# Altium PCB rev5.PcbDoc (part 2 of 3) (continued)
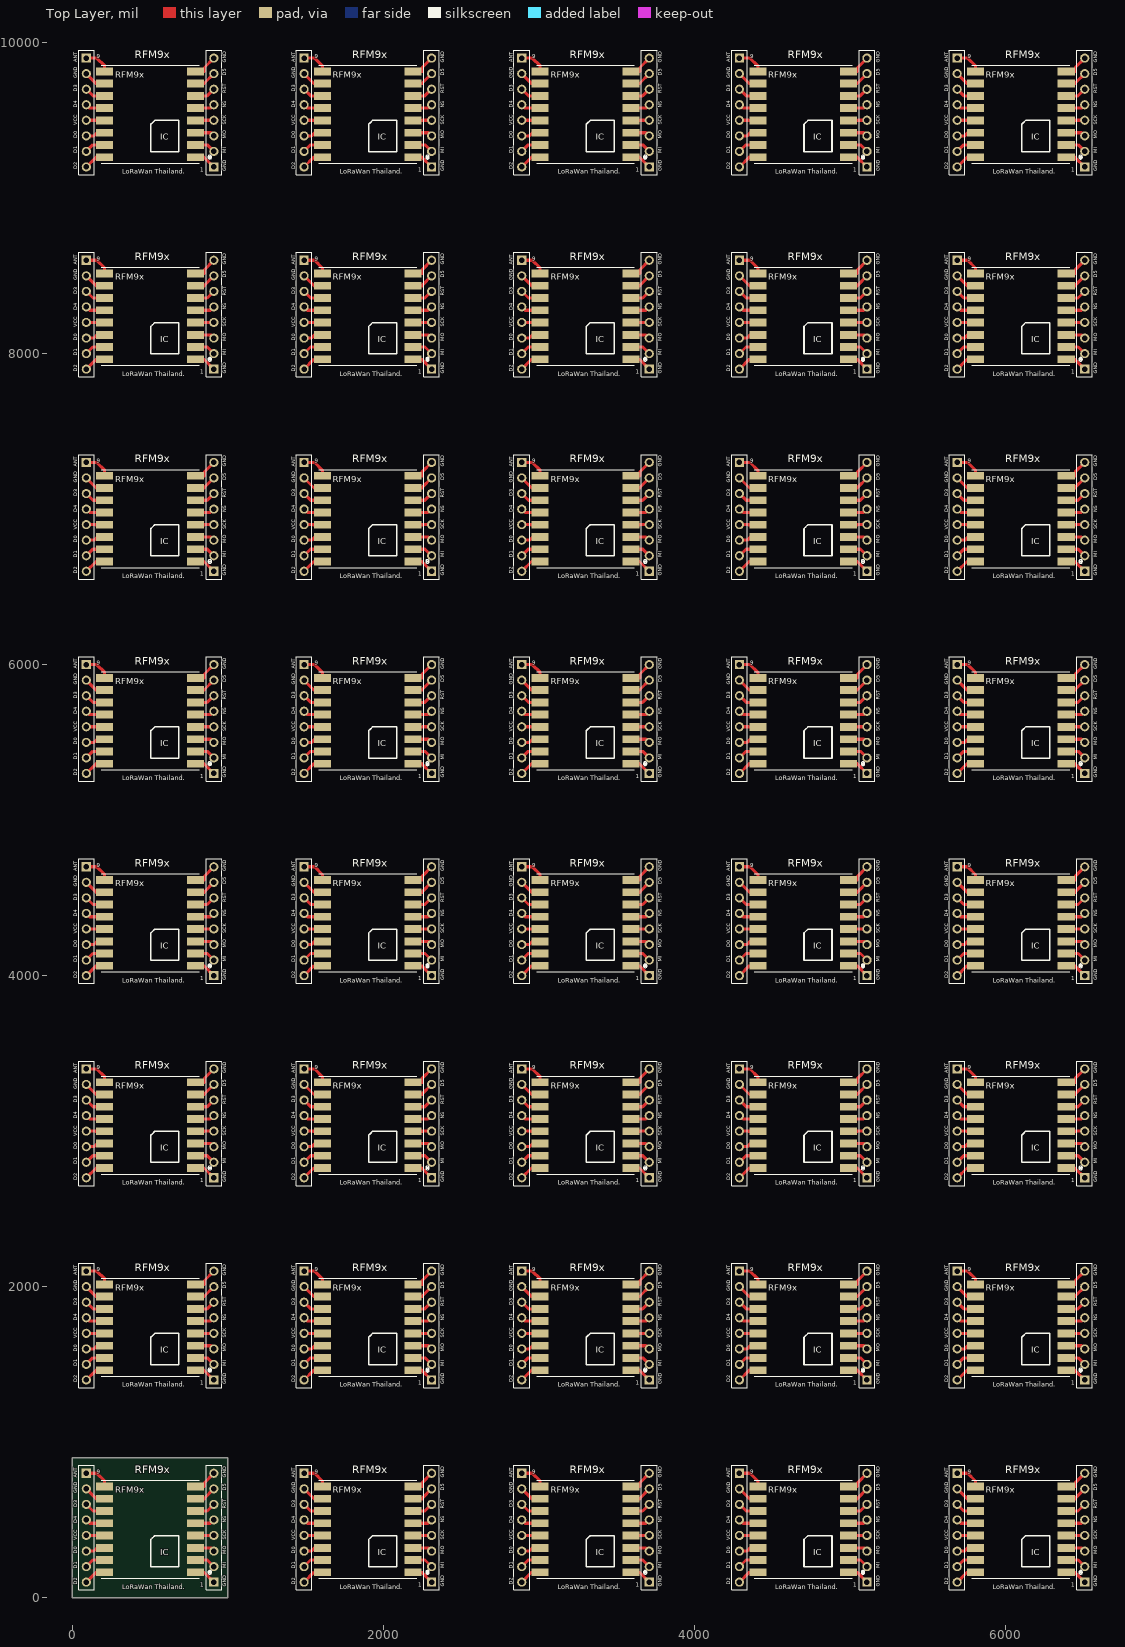
[diagram p0: Top Layer view]
## Nets (pads, with @x,y where several pads share a name; then routed paths per layer and width w, separated by ;. In a path a pad name is that pad's centre, name@x,y a point inside that pad or via, vN(x,y) a via of type N, cw(c..) or ccw(c..) an arc to the next point about the centre after c; other vN are vias at no path point) (continued)

## Silkscreen, mask and mechanical layers (free items; w line width, h text height)
Top Overlay:
  text "ANT" at 32,9872 h23 r90
  text "ANT" at 1432,9872 h23 r90
  text "ANT" at 2832,9872 h23 r90
  text "ANT" at 4232,9872 h23 r90
  text "ANT" at 5632,9872 h23 r90
  text "GND" at 991,9871 h23 r90
  text "GND" at 2391,9871 h23 r90
  text "GND" at 3791,9871 h23 r90
  text "GND" at 5191,9871 h23 r90
  text "GND" at 6591,9871 h23 r90
  text "D5" at 991,9787 h23 r90
  text "D5" at 2391,9787 h23 r90
  text "D5" at 3791,9787 h23 r90
  text "D5" at 5191,9787 h23 r90
  text "D5" at 6591,9787 h23 r90
  text "GND" at 32,9770 h23 r90
  text "GND" at 1432,9770 h23 r90
  text "GND" at 2832,9770 h23 r90
  text "GND" at 4232,9770 h23 r90
  text "GND" at 5632,9770 h23 r90
  text "D3" at 32,9682 h23 r90
  text "D3" at 1432,9682 h23 r90
  text "D3" at 2832,9682 h23 r90
  text "D3" at 4232,9682 h23 r90
  text "D3" at 5632,9682 h23 r90
  text "RST" at 991,9673 h23 r90
  text "RST" at 2391,9673 h23 r90
  text "RST" at 3791,9673 h23 r90
  text "RST" at 5191,9673 h23 r90
  text "RST" at 6591,9673 h23 r90
  text "NS" at 991,9581 h23 r90
  text "NS" at 2391,9581 h23 r90
  text "NS" at 3791,9581 h23 r90
  text "NS" at 5191,9581 h23 r90
  text "NS" at 6591,9581 h23 r90
  text "D4" at 32,9580 h23 r90
  text "D4" at 1432,9580 h23 r90
  text "D4" at 2832,9580 h23 r90
  text "D4" at 4232,9580 h23 r90
  text "D4" at 5632,9580 h23 r90
  text "SCK" at 991,9471 h23 r90
  text "SCK" at 2391,9471 h23 r90
  text "SCK" at 3791,9471 h23 r90
  text "SCK" at 5191,9471 h23 r90
  text "SCK" at 6591,9471 h23 r90
  text "VCC" at 32,9468 h23 r90
  text "VCC" at 1432,9468 h23 r90
  text "VCC" at 2832,9468 h23 r90
  text "VCC" at 4232,9468 h23 r90
  text "VCC" at 5632,9468 h23 r90
  text "D0" at 32,9383 h23 r90
  text "D0" at 1432,9383 h23 r90
  text "D0" at 2832,9383 h23 r90
  text "D0" at 4232,9383 h23 r90
  text "D0" at 5632,9383 h23 r90
  text "MO" at 991,9380 h23 r90
  text "MO" at 2391,9380 h23 r90
  text "MO" at 3791,9380 h23 r90
  text "MO" at 5191,9380 h23 r90
  text "MO" at 6591,9380 h23 r90
  text "MI" at 991,9289 h23 r90
  text "MI" at 2391,9289 h23 r90
  text "MI" at 3791,9289 h23 r90
  text "MI" at 5191,9289 h23 r90
  text "MI" at 6591,9289 h23 r90
  text "D1" at 32,9287 h23 r90
  text "D1" at 1432,9287 h23 r90
  text "D1" at 2832,9287 h23 r90
  text "D1" at 4232,9287 h23 r90
  text "D1" at 5632,9287 h23 r90
  text "D2" at 32,9184 h23 r90
  text "D2" at 1432,9184 h23 r90
  text "D2" at 2832,9184 h23 r90
  text "D2" at 4232,9184 h23 r90
  text "D2" at 5632,9184 h23 r90
  text "GND" at 991,9171 h23 r90
  text "GND" at 2391,9171 h23 r90
  text "GND" at 3791,9171 h23 r90
  text "GND" at 5191,9171 h23 r90
  text "GND" at 6591,9171 h23 r90
  text "LoRaWan Thailand." at 320,9155 h30
  text "LoRaWan Thailand." at 1720,9155 h30
  text "LoRaWan Thailand." at 3120,9155 h30
  text "LoRaWan Thailand." at 4520,9155 h30
  text "LoRaWan Thailand." at 5920,9155 h30
  text "ANT" at 32,8572 h23 r90
  text "ANT" at 1432,8572 h23 r90
  text "ANT" at 2832,8572 h23 r90
  text "ANT" at 4232,8572 h23 r90
  text "ANT" at 5632,8572 h23 r90
  text "GND" at 991,8571 h23 r90
  text "GND" at 2391,8571 h23 r90
  text "GND" at 3791,8571 h23 r90
  text "GND" at 5191,8571 h23 r90
  text "GND" at 6591,8571 h23 r90
  text "D5" at 991,8487 h23 r90
  text "D5" at 2391,8487 h23 r90
  text "D5" at 3791,8487 h23 r90
  text "D5" at 5191,8487 h23 r90
  text "D5" at 6591,8487 h23 r90
  text "GND" at 32,8470 h23 r90
  text "GND" at 1432,8470 h23 r90
  text "GND" at 2832,8470 h23 r90
  text "GND" at 4232,8470 h23 r90
  text "GND" at 5632,8470 h23 r90
  text "D3" at 32,8382 h23 r90
  text "D3" at 1432,8382 h23 r90
  text "D3" at 2832,8382 h23 r90
  text "D3" at 4232,8382 h23 r90
  text "D3" at 5632,8382 h23 r90
  text "RST" at 991,8373 h23 r90
  text "RST" at 2391,8373 h23 r90
  text "RST" at 3791,8373 h23 r90
  text "RST" at 5191,8373 h23 r90
  text "RST" at 6591,8373 h23 r90
  text "NS" at 991,8281 h23 r90
  text "NS" at 2391,8281 h23 r90
  text "NS" at 3791,8281 h23 r90
  text "NS" at 5191,8281 h23 r90
  text "NS" at 6591,8281 h23 r90
  text "D4" at 32,8280 h23 r90
  text "D4" at 1432,8280 h23 r90
  text "D4" at 2832,8280 h23 r90
  text "D4" at 4232,8280 h23 r90
  text "D4" at 5632,8280 h23 r90
  text "SCK" at 991,8171 h23 r90
  text "SCK" at 2391,8171 h23 r90
  text "SCK" at 3791,8171 h23 r90
  text "SCK" at 5191,8171 h23 r90
  text "SCK" at 6591,8171 h23 r90
  text "VCC" at 32,8168 h23 r90
  text "VCC" at 1432,8168 h23 r90
  text "VCC" at 2832,8168 h23 r90
  text "VCC" at 4232,8168 h23 r90
  text "VCC" at 5632,8168 h23 r90
  text "D0" at 32,8083 h23 r90
  text "D0" at 1432,8083 h23 r90
  text "D0" at 2832,8083 h23 r90
  text "D0" at 4232,8083 h23 r90
  text "D0" at 5632,8083 h23 r90
  text "MO" at 991,8080 h23 r90
  text "MO" at 2391,8080 h23 r90
  text "MO" at 3791,8080 h23 r90
  text "MO" at 5191,8080 h23 r90
  text "MO" at 6591,8080 h23 r90
  text "MI" at 991,7989 h23 r90
  text "MI" at 2391,7989 h23 r90
  text "MI" at 3791,7989 h23 r90
  text "MI" at 5191,7989 h23 r90
  text "MI" at 6591,7989 h23 r90
  text "D1" at 32,7987 h23 r90
  text "D1" at 1432,7987 h23 r90
  text "D1" at 2832,7987 h23 r90
  text "D1" at 4232,7987 h23 r90
  text "D1" at 5632,7987 h23 r90
  text "D2" at 32,7884 h23 r90
  text "D2" at 1432,7884 h23 r90
  text "D2" at 2832,7884 h23 r90
  text "D2" at 4232,7884 h23 r90
  text "D2" at 5632,7884 h23 r90
  text "GND" at 991,7871 h23 r90
  text "GND" at 2391,7871 h23 r90
  text "GND" at 3791,7871 h23 r90
  text "GND" at 5191,7871 h23 r90
  text "GND" at 6591,7871 h23 r90
  text "LoRaWan Thailand." at 320,7855 h30
  text "LoRaWan Thailand." at 1720,7855 h30
  text "LoRaWan Thailand." at 3120,7855 h30
  text "LoRaWan Thailand." at 4520,7855 h30
  text "LoRaWan Thailand." at 5920,7855 h30
  text "ANT" at 32,7272 h23 r90
  text "ANT" at 1432,7272 h23 r90
  text "ANT" at 2832,7272 h23 r90
  text "ANT" at 4232,7272 h23 r90
  text "ANT" at 5632,7272 h23 r90
  text "GND" at 991,7271 h23 r90
  text "GND" at 2391,7271 h23 r90
  text "GND" at 3791,7271 h23 r90
  text "GND" at 5191,7271 h23 r90
  text "GND" at 6591,7271 h23 r90
  text "D5" at 991,7187 h23 r90
  text "D5" at 2391,7187 h23 r90
  text "D5" at 3791,7187 h23 r90
  text "D5" at 5191,7187 h23 r90
  text "D5" at 6591,7187 h23 r90
  text "GND" at 32,7170 h23 r90
  text "GND" at 1432,7170 h23 r90
  text "GND" at 2832,7170 h23 r90
  text "GND" at 4232,7170 h23 r90
  text "GND" at 5632,7170 h23 r90
  text "D3" at 32,7082 h23 r90
  text "D3" at 1432,7082 h23 r90
  text "D3" at 2832,7082 h23 r90
  text "D3" at 4232,7082 h23 r90
  text "D3" at 5632,7082 h23 r90
  text "RST" at 991,7073 h23 r90
  text "RST" at 2391,7073 h23 r90
  text "RST" at 3791,7073 h23 r90
  text "RST" at 5191,7073 h23 r90
  text "RST" at 6591,7073 h23 r90
  text "NS" at 991,6981 h23 r90
  text "NS" at 2391,6981 h23 r90
  text "NS" at 3791,6981 h23 r90
  text "NS" at 5191,6981 h23 r90
  text "NS" at 6591,6981 h23 r90
  text "D4" at 32,6980 h23 r90
  text "D4" at 1432,6980 h23 r90
  text "D4" at 2832,6980 h23 r90
  text "D4" at 4232,6980 h23 r90
  text "D4" at 5632,6980 h23 r90
  text "SCK" at 991,6871 h23 r90
  text "SCK" at 2391,6871 h23 r90
  text "SCK" at 3791,6871 h23 r90
  text "SCK" at 5191,6871 h23 r90
  text "SCK" at 6591,6871 h23 r90
  text "VCC" at 32,6868 h23 r90
  text "VCC" at 1432,6868 h23 r90
  text "VCC" at 2832,6868 h23 r90
  text "VCC" at 4232,6868 h23 r90
  text "VCC" at 5632,6868 h23 r90
  text "D0" at 32,6783 h23 r90
  text "D0" at 1432,6783 h23 r90
  text "D0" at 2832,6783 h23 r90
  text "D0" at 4232,6783 h23 r90
  text "D0" at 5632,6783 h23 r90
  text "MO" at 991,6780 h23 r90
  text "MO" at 2391,6780 h23 r90
  text "MO" at 3791,6780 h23 r90
  text "MO" at 5191,6780 h23 r90
  text "MO" at 6591,6780 h23 r90
  text "MI" at 991,6689 h23 r90
  text "MI" at 2391,6689 h23 r90
  text "MI" at 3791,6689 h23 r90
  text "MI" at 5191,6689 h23 r90
  text "MI" at 6591,6689 h23 r90
  text "D1" at 32,6687 h23 r90
  text "D1" at 1432,6687 h23 r90
  text "D1" at 2832,6687 h23 r90
  text "D1" at 4232,6687 h23 r90
  text "D1" at 5632,6687 h23 r90
  text "D2" at 32,6584 h23 r90
  text "D2" at 1432,6584 h23 r90
  text "D2" at 2832,6584 h23 r90
  text "D2" at 4232,6584 h23 r90
  text "D2" at 5632,6584 h23 r90
  text "GND" at 991,6571 h23 r90
  text "GND" at 2391,6571 h23 r90
  text "GND" at 3791,6571 h23 r90
  text "GND" at 5191,6571 h23 r90
  text "GND" at 6591,6571 h23 r90
  text "LoRaWan Thailand." at 320,6555 h30
  text "LoRaWan Thailand." at 1720,6555 h30
  text "LoRaWan Thailand." at 3120,6555 h30
  text "LoRaWan Thailand." at 4520,6555 h30
  text "LoRaWan Thailand." at 5920,6555 h30
  text "ANT" at 32,5972 h23 r90
  text "ANT" at 1432,5972 h23 r90
  text "ANT" at 2832,5972 h23 r90
  text "ANT" at 4232,5972 h23 r90
  text "ANT" at 5632,5972 h23 r90
  text "GND" at 991,5971 h23 r90
  text "GND" at 2391,5971 h23 r90
  text "GND" at 3791,5971 h23 r90
  text "GND" at 5191,5971 h23 r90
  text "GND" at 6591,5971 h23 r90
  text "D5" at 991,5887 h23 r90
  text "D5" at 2391,5887 h23 r90
  text "D5" at 3791,5887 h23 r90
  text "D5" at 5191,5887 h23 r90
  text "D5" at 6591,5887 h23 r90
  text "GND" at 32,5870 h23 r90
  text "GND" at 1432,5870 h23 r90
  text "GND" at 2832,5870 h23 r90
  text "GND" at 4232,5870 h23 r90
  text "GND" at 5632,5870 h23 r90
  text "D3" at 32,5782 h23 r90
  text "D3" at 1432,5782 h23 r90
  text "D3" at 2832,5782 h23 r90
  text "D3" at 4232,5782 h23 r90
  text "D3" at 5632,5782 h23 r90
  text "RST" at 991,5773 h23 r90
  text "RST" at 2391,5773 h23 r90
  text "RST" at 3791,5773 h23 r90
  text "RST" at 5191,5773 h23 r90
  text "RST" at 6591,5773 h23 r90
  text "NS" at 991,5681 h23 r90
  text "NS" at 2391,5681 h23 r90
  text "NS" at 3791,5681 h23 r90
  text "NS" at 5191,5681 h23 r90
  text "NS" at 6591,5681 h23 r90
  text "D4" at 32,5680 h23 r90
  text "D4" at 1432,5680 h23 r90
  text "D4" at 2832,5680 h23 r90
  text "D4" at 4232,5680 h23 r90
  text "D4" at 5632,5680 h23 r90
  text "SCK" at 991,5571 h23 r90
  text "SCK" at 2391,5571 h23 r90
  text "SCK" at 3791,5571 h23 r90
  text "SCK" at 5191,5571 h23 r90
  text "SCK" at 6591,5571 h23 r90
  text "VCC" at 32,5568 h23 r90
  text "VCC" at 1432,5568 h23 r90
  text "VCC" at 2832,5568 h23 r90
  text "VCC" at 4232,5568 h23 r90
  text "VCC" at 5632,5568 h23 r90
  text "D0" at 32,5483 h23 r90
  text "D0" at 1432,5483 h23 r90
  text "D0" at 2832,5483 h23 r90
  text "D0" at 4232,5483 h23 r90
  text "D0" at 5632,5483 h23 r90
  text "MO" at 991,5480 h23 r90
  text "MO" at 2391,5480 h23 r90
  text "MO" at 3791,5480 h23 r90
  text "MO" at 5191,5480 h23 r90
  text "MO" at 6591,5480 h23 r90
  text "MI" at 991,5389 h23 r90
  text "MI" at 2391,5389 h23 r90
  text "MI" at 3791,5389 h23 r90
  text "MI" at 5191,5389 h23 r90
  text "MI" at 6591,5389 h23 r90
  text "D1" at 32,5387 h23 r90
  text "D1" at 1432,5387 h23 r90
  text "D1" at 2832,5387 h23 r90
  text "D1" at 4232,5387 h23 r90
  text "D1" at 5632,5387 h23 r90
  text "D2" at 32,5284 h23 r90
  text "D2" at 1432,5284 h23 r90
  text "D2" at 2832,5284 h23 r90
  text "D2" at 4232,5284 h23 r90
  text "D2" at 5632,5284 h23 r90
  text "GND" at 991,5271 h23 r90
  text "GND" at 2391,5271 h23 r90
  text "GND" at 3791,5271 h23 r90
  text "GND" at 5191,5271 h23 r90
  text "GND" at 6591,5271 h23 r90
  text "LoRaWan Thailand." at 320,5255 h30
  text "LoRaWan Thailand." at 1720,5255 h30
  text "LoRaWan Thailand." at 3120,5255 h30
  text "LoRaWan Thailand." at 4520,5255 h30
  text "LoRaWan Thailand." at 5920,5255 h30
  text "ANT" at 32,4672 h23 r90
  text "ANT" at 1432,4672 h23 r90
  text "ANT" at 2832,4672 h23 r90
  text "ANT" at 4232,4672 h23 r90
  text "ANT" at 5632,4672 h23 r90
  text "GND" at 991,4671 h23 r90
  text "GND" at 2391,4671 h23 r90
  text "GND" at 3791,4671 h23 r90
  text "GND" at 5191,4671 h23 r90
  text "GND" at 6591,4671 h23 r90
  text "D5" at 991,4587 h23 r90
  text "D5" at 2391,4587 h23 r90
  text "D5" at 3791,4587 h23 r90
  text "D5" at 5191,4587 h23 r90
  text "D5" at 6591,4587 h23 r90
  text "GND" at 32,4570 h23 r90
  text "GND" at 1432,4570 h23 r90
  text "GND" at 2832,4570 h23 r90
  text "GND" at 4232,4570 h23 r90
  text "GND" at 5632,4570 h23 r90
  text "D3" at 32,4482 h23 r90
  text "D3" at 1432,4482 h23 r90
  text "D3" at 2832,4482 h23 r90
  text "D3" at 4232,4482 h23 r90
  text "D3" at 5632,4482 h23 r90
  text "RST" at 991,4473 h23 r90
  text "RST" at 2391,4473 h23 r90
  text "RST" at 3791,4473 h23 r90
  text "RST" at 5191,4473 h23 r90
  text "RST" at 6591,4473 h23 r90
  text "NS" at 991,4381 h23 r90
  text "NS" at 2391,4381 h23 r90
  text "NS" at 3791,4381 h23 r90
  text "NS" at 5191,4381 h23 r90
  text "NS" at 6591,4381 h23 r90
  text "D4" at 32,4380 h23 r90
  text "D4" at 1432,4380 h23 r90
  text "D4" at 2832,4380 h23 r90
  text "D4" at 4232,4380 h23 r90
  text "D4" at 5632,4380 h23 r90
  text "SCK" at 991,4271 h23 r90
  text "SCK" at 2391,4271 h23 r90
  text "SCK" at 3791,4271 h23 r90
  text "SCK" at 5191,4271 h23 r90
  text "SCK" at 6591,4271 h23 r90
  text "VCC" at 32,4268 h23 r90
  text "VCC" at 1432,4268 h23 r90
  text "VCC" at 2832,4268 h23 r90
  text "VCC" at 4232,4268 h23 r90
  text "VCC" at 5632,4268 h23 r90
  text "D0" at 32,4183 h23 r90
  text "D0" at 1432,4183 h23 r90
  text "D0" at 2832,4183 h23 r90
  text "D0" at 4232,4183 h23 r90
  text "D0" at 5632,4183 h23 r90
  text "MO" at 991,4180 h23 r90
  text "MO" at 2391,4180 h23 r90
  text "MO" at 3791,4180 h23 r90
  text "MO" at 5191,4180 h23 r90
  text "MO" at 6591,4180 h23 r90
  text "MI" at 991,4089 h23 r90
  text "MI" at 2391,4089 h23 r90
  text "MI" at 3791,4089 h23 r90
  text "MI" at 5191,4089 h23 r90
  text "MI" at 6591,4089 h23 r90
  text "D1" at 32,4087 h23 r90
  text "D1" at 1432,4087 h23 r90
  text "D1" at 2832,4087 h23 r90
  text "D1" at 4232,4087 h23 r90
  text "D1" at 5632,4087 h23 r90
  text "D2" at 32,3984 h23 r90
  text "D2" at 1432,3984 h23 r90
  text "D2" at 2832,3984 h23 r90
  text "D2" at 4232,3984 h23 r90
  text "D2" at 5632,3984 h23 r90
  text "GND" at 991,3971 h23 r90
  text "GND" at 2391,3971 h23 r90
  text "GND" at 3791,3971 h23 r90
  text "GND" at 5191,3971 h23 r90
  text "GND" at 6591,3971 h23 r90
  text "LoRaWan Thailand." at 320,3955 h30
  text "LoRaWan Thailand." at 1720,3955 h30
  text "LoRaWan Thailand." at 3120,3955 h30
  text "LoRaWan Thailand." at 4520,3955 h30
  text "LoRaWan Thailand." at 5920,3955 h30
  text "ANT" at 32,3372 h23 r90
  text "ANT" at 1432,3372 h23 r90
  text "ANT" at 2832,3372 h23 r90
  text "ANT" at 4232,3372 h23 r90
  text "ANT" at 5632,3372 h23 r90
  text "GND" at 991,3371 h23 r90
  text "GND" at 2391,3371 h23 r90
  text "GND" at 3791,3371 h23 r90
  text "GND" at 5191,3371 h23 r90
  text "GND" at 6591,3371 h23 r90
  text "D5" at 991,3287 h23 r90
  text "D5" at 2391,3287 h23 r90
  text "D5" at 3791,3287 h23 r90
  text "D5" at 5191,3287 h23 r90
  text "D5" at 6591,3287 h23 r90
  text "GND" at 32,3270 h23 r90
  text "GND" at 1432,3270 h23 r90
  text "GND" at 2832,3270 h23 r90
  text "GND" at 4232,3270 h23 r90
  text "GND" at 5632,3270 h23 r90
  text "D3" at 32,3182 h23 r90
  text "D3" at 1432,3182 h23 r90
  text "D3" at 2832,3182 h23 r90
  text "D3" at 4232,3182 h23 r90
  text "D3" at 5632,3182 h23 r90
  text "RST" at 991,3173 h23 r90
  text "RST" at 2391,3173 h23 r90
  text "RST" at 3791,3173 h23 r90
  text "RST" at 5191,3173 h23 r90
  text "RST" at 6591,3173 h23 r90
  text "NS" at 991,3081 h23 r90
  text "NS" at 2391,3081 h23 r90
  text "NS" at 3791,3081 h23 r90
  text "NS" at 5191,3081 h23 r90
  text "NS" at 6591,3081 h23 r90
  text "D4" at 32,3080 h23 r90
  text "D4" at 1432,3080 h23 r90
  text "D4" at 2832,3080 h23 r90
  text "D4" at 4232,3080 h23 r90
  text "D4" at 5632,3080 h23 r90
  text "SCK" at 991,2971 h23 r90
  text "SCK" at 2391,2971 h23 r90
  text "SCK" at 3791,2971 h23 r90
  text "SCK" at 5191,2971 h23 r90
  text "SCK" at 6591,2971 h23 r90
  text "VCC" at 32,2968 h23 r90
  text "VCC" at 1432,2968 h23 r90
  text "VCC" at 2832,2968 h23 r90
  text "VCC" at 4232,2968 h23 r90
  text "VCC" at 5632,2968 h23 r90
  text "D0" at 32,2883 h23 r90
  text "D0" at 1432,2883 h23 r90
  text "D0" at 2832,2883 h23 r90
  text "D0" at 4232,2883 h23 r90
  text "D0" at 5632,2883 h23 r90
  text "MO" at 991,2880 h23 r90
  text "MO" at 2391,2880 h23 r90
  text "MO" at 3791,2880 h23 r90
  text "MO" at 5191,2880 h23 r90
  text "MO" at 6591,2880 h23 r90
  text "MI" at 991,2789 h23 r90
  text "MI" at 2391,2789 h23 r90
  text "MI" at 3791,2789 h23 r90
  text "MI" at 5191,2789 h23 r90
  text "MI" at 6591,2789 h23 r90
  text "D1" at 32,2787 h23 r90
  text "D1" at 1432,2787 h23 r90
  text "D1" at 2832,2787 h23 r90
  text "D1" at 4232,2787 h23 r90
  text "D1" at 5632,2787 h23 r90
  text "D2" at 32,2684 h23 r90
  text "D2" at 1432,2684 h23 r90
  text "D2" at 2832,2684 h23 r90
  text "D2" at 4232,2684 h23 r90
  text "D2" at 5632,2684 h23 r90
  text "GND" at 991,2671 h23 r90
  text "GND" at 2391,2671 h23 r90
  text "GND" at 3791,2671 h23 r90
  text "GND" at 5191,2671 h23 r90
  text "GND" at 6591,2671 h23 r90
  text "LoRaWan Thailand." at 320,2655 h30
  text "LoRaWan Thailand." at 1720,2655 h30
  text "LoRaWan Thailand." at 3120,2655 h30
  text "LoRaWan Thailand." at 4520,2655 h30
  text "LoRaWan Thailand." at 5920,2655 h30
  text "ANT" at 32,2072 h23 r90
  text "ANT" at 1432,2072 h23 r90
  text "ANT" at 2832,2072 h23 r90
  text "ANT" at 4232,2072 h23 r90
  text "ANT" at 5632,2072 h23 r90
  text "GND" at 991,2071 h23 r90
  text "GND" at 2391,2071 h23 r90
  text "GND" at 3791,2071 h23 r90
  text "GND" at 5191,2071 h23 r90
  text "GND" at 6591,2071 h23 r90
  text "D5" at 991,1987 h23 r90
  text "D5" at 2391,1987 h23 r90
  text "D5" at 3791,1987 h23 r90
  text "D5" at 5191,1987 h23 r90
  text "D5" at 6591,1987 h23 r90
  text "GND" at 32,1970 h23 r90
  text "GND" at 1432,1970 h23 r90
  text "GND" at 2832,1970 h23 r90
  text "GND" at 4232,1970 h23 r90
  text "GND" at 5632,1970 h23 r90
  text "D3" at 32,1882 h23 r90
  text "D3" at 1432,1882 h23 r90
  text "D3" at 2832,1882 h23 r90
  text "D3" at 4232,1882 h23 r90
  text "D3" at 5632,1882 h23 r90
  text "RST" at 991,1873 h23 r90
  text "RST" at 2391,1873 h23 r90
  text "RST" at 3791,1873 h23 r90
  text "RST" at 5191,1873 h23 r90
  text "RST" at 6591,1873 h23 r90
  text "NS" at 991,1781 h23 r90
  text "NS" at 2391,1781 h23 r90
  text "NS" at 3791,1781 h23 r90
  text "NS" at 5191,1781 h23 r90
  text "NS" at 6591,1781 h23 r90
  text "D4" at 32,1780 h23 r90
  text "D4" at 1432,1780 h23 r90
  text "D4" at 2832,1780 h23 r90
  text "D4" at 4232,1780 h23 r90
  text "D4" at 5632,1780 h23 r90
  text "SCK" at 991,1671 h23 r90
  text "SCK" at 2391,1671 h23 r90
  text "SCK" at 3791,1671 h23 r90
  text "SCK" at 5191,1671 h23 r90
  text "SCK" at 6591,1671 h23 r90
  text "VCC" at 32,1668 h23 r90
  text "VCC" at 1432,1668 h23 r90
  text "VCC" at 2832,1668 h23 r90
  text "VCC" at 4232,1668 h23 r90
  text "VCC" at 5632,1668 h23 r90
  text "D0" at 32,1583 h23 r90
  text "D0" at 1432,1583 h23 r90
  text "D0" at 2832,1583 h23 r90
  text "D0" at 4232,1583 h23 r90
  text "D0" at 5632,1583 h23 r90
  text "MO" at 991,1580 h23 r90
  text "MO" at 2391,1580 h23 r90
  text "MO" at 3791,1580 h23 r90
  text "MO" at 5191,1580 h23 r90
  text "MO" at 6591,1580 h23 r90
  text "MI" at 991,1489 h23 r90
  text "MI" at 2391,1489 h23 r90
  text "MI" at 3791,1489 h23 r90
  text "MI" at 5191,1489 h23 r90
  text "MI" at 6591,1489 h23 r90
  text "D1" at 32,1487 h23 r90
  text "D1" at 1432,1487 h23 r90
  text "D1" at 2832,1487 h23 r90
  text "D1" at 4232,1487 h23 r90
  text "D1" at 5632,1487 h23 r90
  text "D2" at 32,1384 h23 r90
  text "D2" at 1432,1384 h23 r90
  text "D2" at 2832,1384 h23 r90
  text "D2" at 4232,1384 h23 r90
  text "D2" at 5632,1384 h23 r90
  text "GND" at 991,1371 h23 r90
  text "GND" at 2391,1371 h23 r90
  text "GND" at 3791,1371 h23 r90
  text "GND" at 5191,1371 h23 r90
  text "GND" at 6591,1371 h23 r90
  text "LoRaWan Thailand." at 320,1355 h30
  text "LoRaWan Thailand." at 1720,1355 h30
  text "LoRaWan Thailand." at 3120,1355 h30
  text "LoRaWan Thailand." at 4520,1355 h30
  text "LoRaWan Thailand." at 5920,1355 h30
  text "ANT" at 32,772 h23 r90
  text "ANT" at 1432,772 h23 r90
  text "ANT" at 2832,772 h23 r90
  text "ANT" at 4232,772 h23 r90
  text "ANT" at 5632,772 h23 r90
  text "GND" at 991,771 h23 r90
  text "GND" at 2391,771 h23 r90
  text "GND" at 3791,771 h23 r90
  text "GND" at 5191,771 h23 r90
  text "GND" at 6591,771 h23 r90
  text "D5" at 991,687 h23 r90
  text "D5" at 2391,687 h23 r90
  text "D5" at 3791,687 h23 r90
  text "D5" at 5191,687 h23 r90
  text "D5" at 6591,687 h23 r90
  text "GND" at 32,670 h23 r90
  text "GND" at 1432,670 h23 r90
  text "GND" at 2832,670 h23 r90
  text "GND" at 4232,670 h23 r90
  text "GND" at 5632,670 h23 r90
  text "D3" at 32,582 h23 r90
  text "D3" at 1432,582 h23 r90
  text "D3" at 2832,582 h23 r90
  text "D3" at 4232,582 h23 r90
  text "D3" at 5632,582 h23 r90
  text "RST" at 991,573 h23 r90
  text "RST" at 2391,573 h23 r90
  text "RST" at 3791,573 h23 r90
  text "RST" at 5191,573 h23 r90
  text "RST" at 6591,573 h23 r90
  text "NS" at 991,481 h23 r90
  text "NS" at 2391,481 h23 r90
  text "NS" at 3791,481 h23 r90
  text "NS" at 5191,481 h23 r90
  text "NS" at 6591,481 h23 r90
  text "D4" at 32,480 h23 r90
  text "D4" at 1432,480 h23 r90
  text "D4" at 2832,480 h23 r90
  text "D4" at 4232,480 h23 r90
  text "D4" at 5632,480 h23 r90
  text "SCK" at 991,371 h23 r90
  text "SCK" at 2391,371 h23 r90
  text "SCK" at 3791,371 h23 r90
  text "SCK" at 5191,371 h23 r90
  text "SCK" at 6591,371 h23 r90
  text "VCC" at 32,368 h23 r90
  text "VCC" at 1432,368 h23 r90
  text "VCC" at 2832,368 h23 r90
  text "VCC" at 4232,368 h23 r90
  text "VCC" at 5632,368 h23 r90
  text "D0" at 32,283 h23 r90
  text "D0" at 1432,283 h23 r90
  text "D0" at 2832,283 h23 r90
  text "D0" at 4232,283 h23 r90
  text "D0" at 5632,283 h23 r90
  text "MO" at 991,280 h23 r90
  text "MO" at 2391,280 h23 r90
  text "MO" at 3791,280 h23 r90
  text "MO" at 5191,280 h23 r90
  text "MO" at 6591,280 h23 r90
  text "MI" at 991,189 h23 r90
  text "MI" at 2391,189 h23 r90
  text "MI" at 3791,189 h23 r90
  text "MI" at 5191,189 h23 r90
  text "MI" at 6591,189 h23 r90
  text "D1" at 32,187 h23 r90
  text "D1" at 1432,187 h23 r90
  text "D1" at 2832,187 h23 r90
  text "D1" at 4232,187 h23 r90
  text "D1" at 5632,187 h23 r90
  text "D2" at 32,84 h23 r90
  text "D2" at 1432,84 h23 r90
  text "D2" at 2832,84 h23 r90
  text "D2" at 4232,84 h23 r90
  text "D2" at 5632,84 h23 r90
  text "GND" at 991,71 h23 r90
  text "GND" at 2391,71 h23 r90
  text "GND" at 3791,71 h23 r90
  text "GND" at 5191,71 h23 r90
  text "GND" at 6591,71 h23 r90
  text "LoRaWan Thailand." at 320,55 h30
  text "LoRaWan Thailand." at 1720,55 h30
  text "LoRaWan Thailand." at 3120,55 h30
  text "LoRaWan Thailand." at 4520,55 h30
  text "LoRaWan Thailand." at 5920,55 h30
Mechanical 1:
  drawing of 160 lines, arcs and shapes, not listed